# KiCad board SofleKeyboard.kicad_pcb (continued)
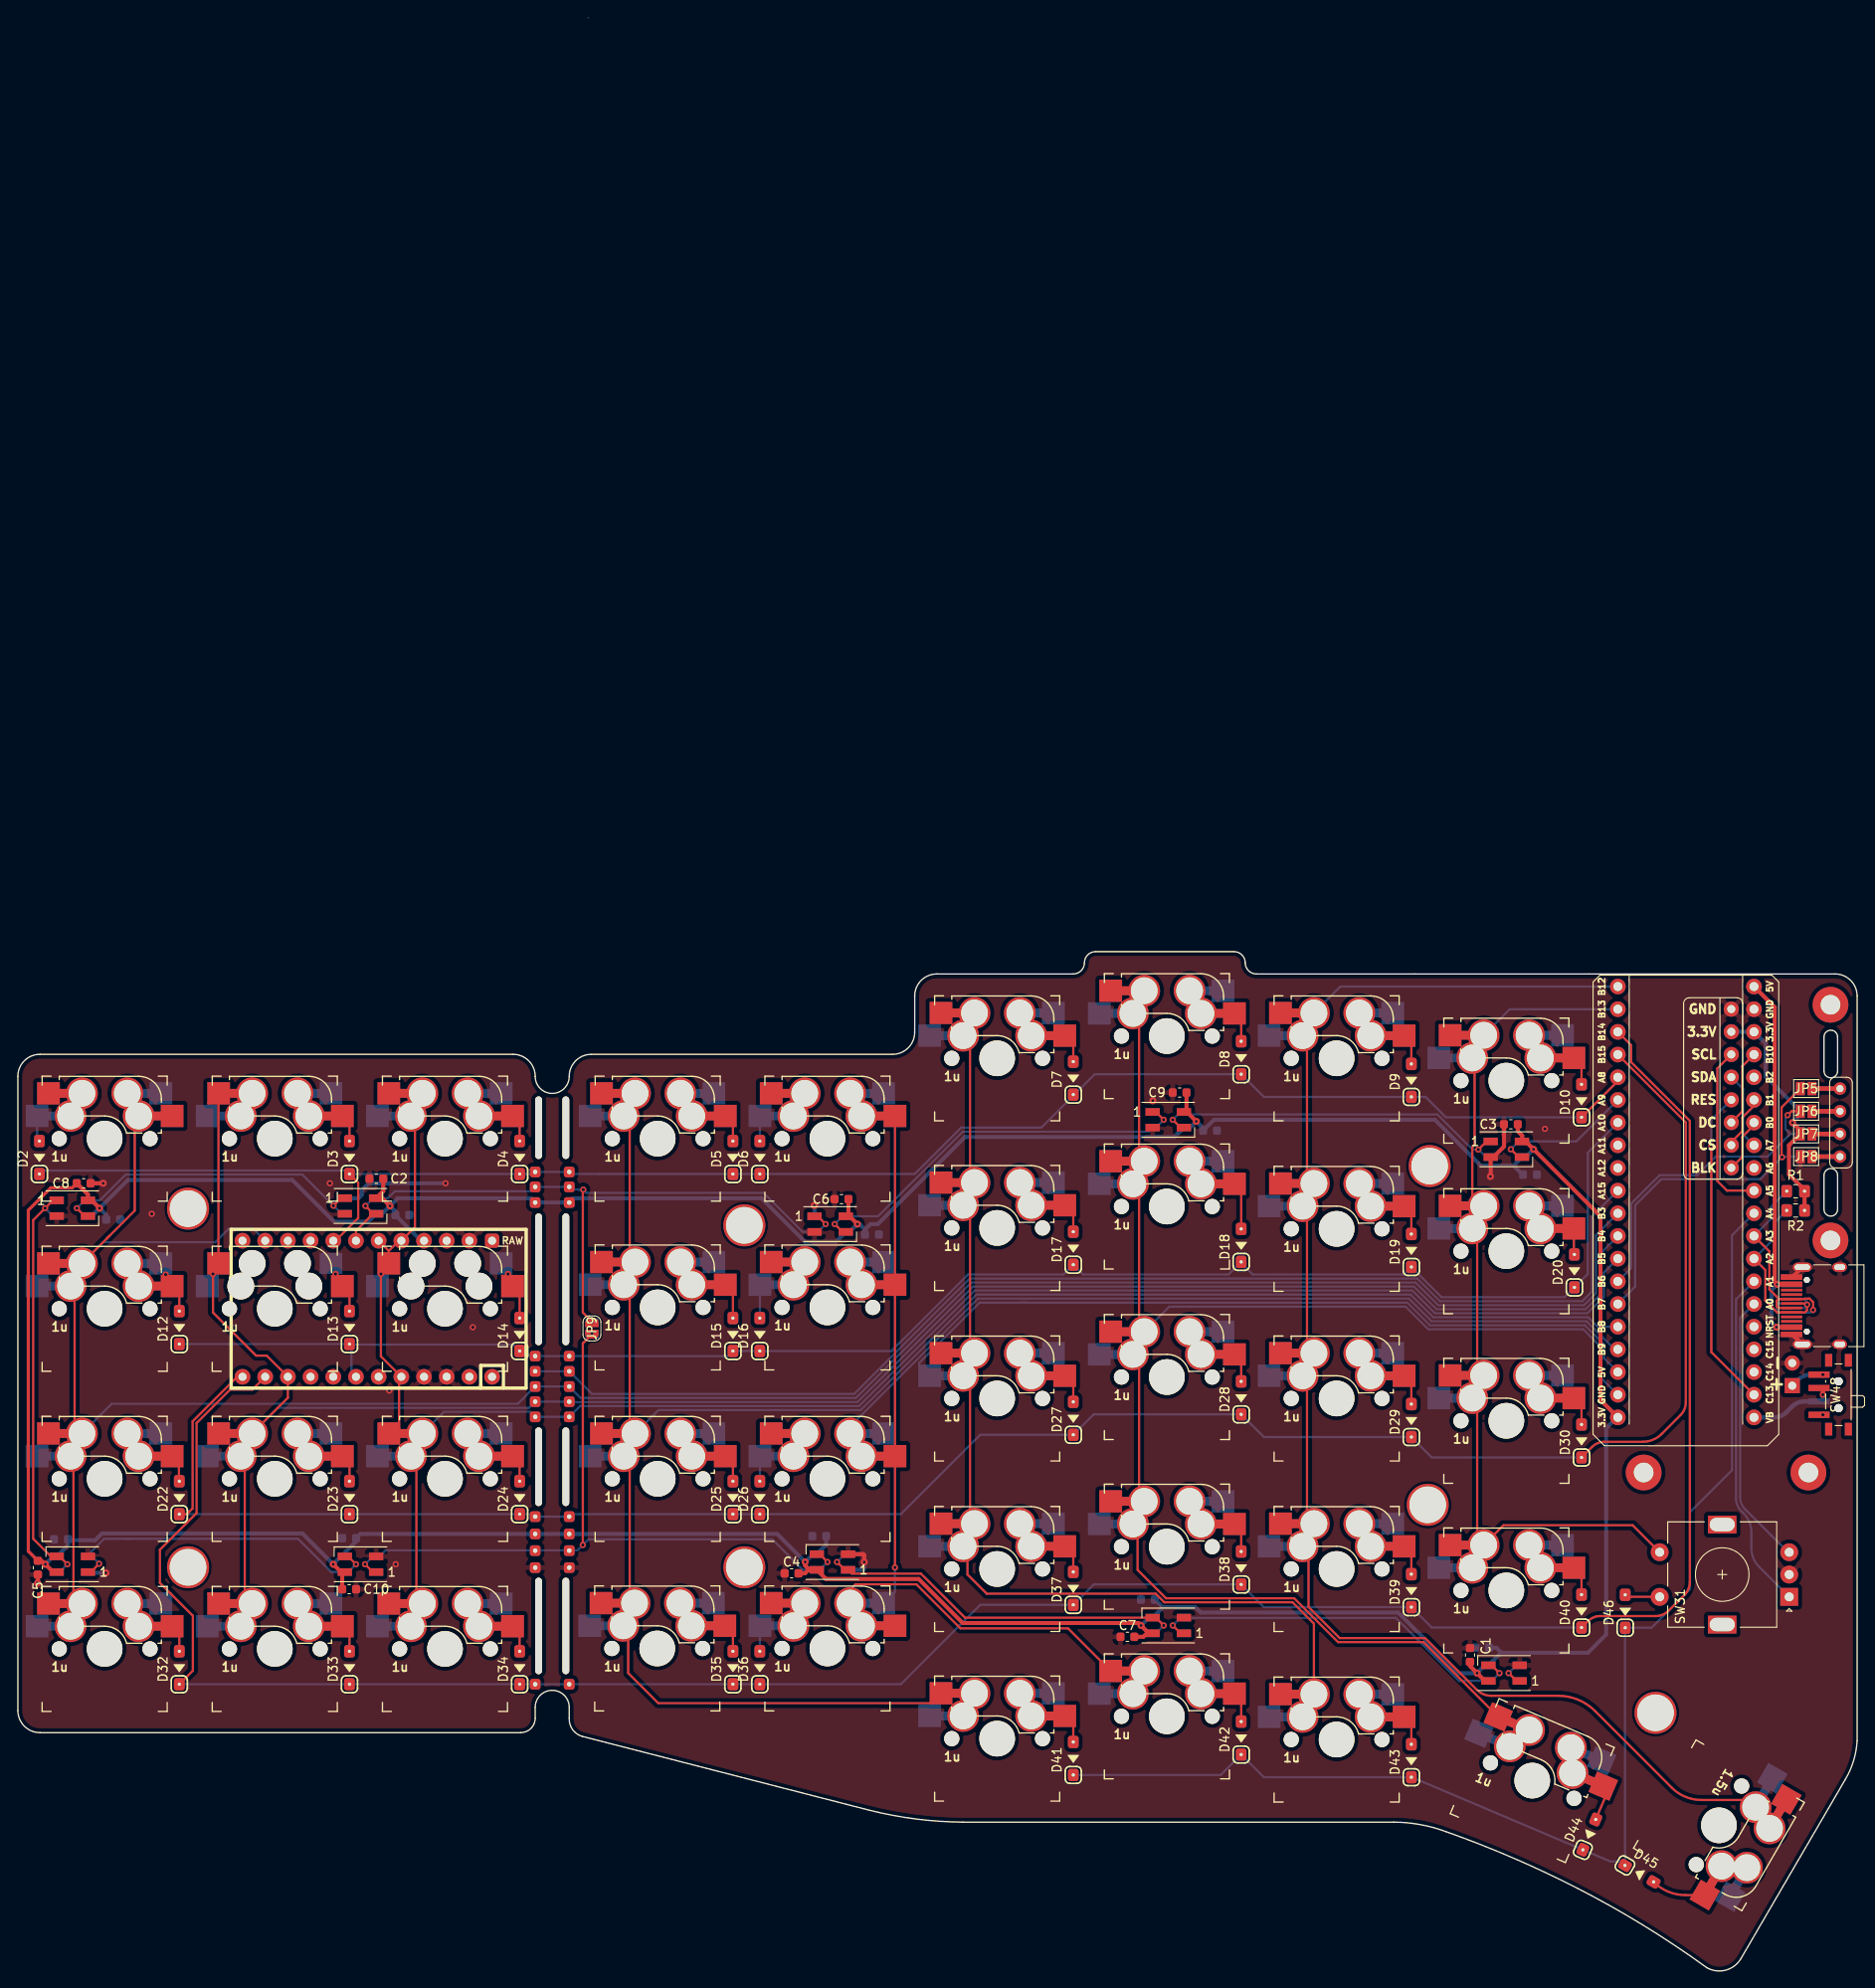
[diagram p0: board, top side]
## Footprints (pads in the part's own frame, mm; a bottom-side part is the same pattern mirrored in y, then rotated)
128x64OLED
  round 1.4 hole 0.8: 1(-3.81,11.95) 2(-1.27,11.95) 3(1.27,11.95) 4(3.81,11.95)
BlackPill-STM32F4X1
  round 1.753 hole 1: 1(-25.4,-7.62) 2(-22.86,-7.62) 3(-20.32,-7.62) 4(-17.78,-7.62) 5(-15.24,-7.62) 6(-12.7,-7.62) 7(-10.16,-7.62) 8(-7.62,-7.62) 9(-5.08,-7.62) 10(-2.54,-7.62) 11(0,-7.62) 12(2.54,-7.62) 13(5.08,-7.62) 14(7.62,-7.62) 15(10.16,-7.62) 16(12.7,-7.62) 17(15.24,-7.62) 18(17.78,-7.62) 19(20.32,-7.62) 20(22.86,-7.62) 21(-25.4,7.62) 22(-22.86,7.62) 23(-20.32,7.62) 24(-17.78,7.62) 25(-15.24,7.62) 26(-12.7,7.62) 27(-10.16,7.62) 28(-7.62,7.62) 29(-5.08,7.62) 30(-2.54,7.62) 31(0,7.62) 32(2.54,7.62) 33(5.08,7.62) 34(7.62,7.62) 35(10.16,7.62) 36(12.7,7.62) 37(15.24,7.62) 38(17.78,7.62) 39(20.32,7.62) 40(22.86,7.62)
C_0603_1608Metric
  rrect 0.9x0.95 smd: 1(-0.775,0) 2(0.775,0)
Conn_01x01
  rrect 1.2x1.2 hole 0.5: 1(0,0)
Conn_01x08
  round 1.7 hole 0.9: 1(0,-8.89) 2(0,-6.35) 3(0,-3.81) 4(0,-1.27) 5(0,1.27) 6(0,3.81) 7(0,6.35) 8(0,8.89)
Cut_hole
  oval 0.762x14.75 hole 0.762x14.75 unplated: (0,0)
Cut_hole#2
  oval 0.762x8.8 hole 0.762x8.8 unplated: (0,0)
Cut_hole#3
  oval 0.762x7 hole 0.762x7 unplated: (0,0)
Cut_hole#4
  oval 0.762x10.8 hole 0.762x10.8 unplated: (0,0)
Diode
  rrect 1.39x1.2 hole 0.35: 1(1.693,0) 2(-1.997,0)
HOLE_M2_TH
  round 4.7 hole 4.1: (0,0)
M2_HOLE_PCB
  round 4 hole 2.2: (0,0)
PinHeader_1x02_P2.54mm_Vertical
  rect 1.7x1.7 hole 0.9: 1(0,0)
  oval 1.7x1.7 hole 0.9: 2(0,-2.54)
PRO-MICRO
  round 1.753 hole 0.9: B1(7.62,-6.35) B2(7.62,-11.43) B3(7.62,-8.89) B4(-7.62,-11.43) B5(-7.62,-13.97) B6(7.62,-13.97) C6(-7.62,-3.81) D0(-7.62,1.27) D1(-7.62,3.81) D2(-7.62,11.43) D3(-7.62,13.97) D4(-7.62,-1.27) D7(-7.62,-6.35) E6(-7.62,-8.89) F4(7.62,3.81) F5(7.62,1.27) F6(7.62,-1.27) F7(7.62,-3.81) GND(-7.62,6.35) GND(-7.62,8.89) GND(7.62,11.43) RST(7.62,8.89) VCC(7.62,6.35)
  rrect 1.6x1.6 hole 0.9: RAW(7.62,13.97)
R_0805_2012Metric_Pad1.20x1.40mm_HandSolder
  rrect 1.2x1.4 hole 0.35: 1(-1,0) 2(1,0)
RotaryEncoder_Alps_EC11E-Switch_Vertical_H20mm
  rect 2x2 hole 1: A(-2.5,-7.5)
  round 2 hole 1: B(2.5,-7.5) C(0,-7.5) S1(2.5,7) S2(-2.5,7)
  rect 2x3.2 hole 1.5x2.8: MP(-5.6,0) MP(5.6,0)
SK6812MINI-FLIP
  rect 1.6x0.85 smd: +(1.75,0.875) -(-1.75,-0.875) I(1.75,-0.875) O(-1.75,0.875)
  rect 1.6x0.85 smd far side: +(1.75,-0.875) -(-1.75,0.875) I(1.75,0.875) O(-1.75,-0.875)
SolderJumper-2_P1.3mm_Open_Pad1.0x1.5mm
  rect 1x1.5 smd: 1(-0.65,0) 2(0.65,0)
SolderJumper-2_P1.3mm_Open_RoundedPad1.0x1.5mm
  custom 1x1.5 smd: 1(-0.65,0) 2(0.65,0)
SW-HS-Flip-1u
  round 1.702 hole 1.702 unplated: (-5.08,0) (5.08,0)
  round 3 hole 3 unplated: (-3.81,2.54) (-2.54,5.08) (2.54,5.08) (3.81,2.54)
  round 3.988 hole 3.988 unplated: (0,0)
  rect 2.55x2.5 smd far side: 1(-7.56,2.54)
  rect 2.55x2.5 smd: 1(-6.29,5.08) 2(7.56,2.54)
  rect 2.55x2.35 smd far side: 2(6.29,5.08)
SW-HS-Flip-1u#2
  round 1.702 hole 1.702 unplated: (-5.08,0) (5.08,0)
  round 3 hole 3 unplated: (-3.81,2.54) (-2.54,5.08) (2.54,5.08) (3.81,2.54)
  round 3.988 hole 3.988 unplated: (0,0)
  rect 2.55x2.5 smd far side: 1(-7.56,2.54) 2(6.29,5.08)
  rect 2.55x2.5 smd: 1(-6.29,5.08) 2(7.56,2.54)
SW-HS_flip-1u
  round 1.702 hole 1.702 unplated: (-5.08,0)
  round 3.988 hole 3.988 unplated: (0,0)
  round 1.7 hole 1.7 unplated: (5.08,0)
  rect 2.55x2.5 smd far side: 1(-7.56,2.54) 2(6.29,5.08)
  rect 2.55x2.5 smd: 1(-6.29,5.08) 2(7.56,2.54)
  rect 2.5x1 smd far side: 1(-5.715,2.54) 2(5.015,5.08)
  rect 2.5x1 smd: 1(-5.015,5.08) 2(5.715,2.54)
  round 3.55 hole 3: 1(-3.81,2.54) 1(-2.54,5.08) 2(2.54,5.08) 2(3.81,2.54)
SW_SPDT_PCM12
  rect 1.422x0.8 smd: (-3.861,0.78) (-3.861,-1.43) (3.861,0.78) (3.861,-1.43)
  round 0.9 hole 0.9 unplated: (-1.5,-0.33) (1.5,-0.33)
  rect 0.7x2.368 smd: 1(-2.25,1.864) 2(0.75,1.864) 3(2.25,1.864)
USB-C-16pin-hight-v2
  round 0.65 hole 0.65 unplated: (-2.89,-2.605) (2.89,-2.605)
  rect 0.6x2.363 smd: A1(3.2,-4.318) A4(2.4,-4.318) A9(-2.4,-4.318) A12(-3.2,-4.318) B1(-3.2,-4.318) B4(-2.4,-4.318) B9(2.4,-4.318) B12(3.2,-4.318)
  rect 0.3x2.366 smd: A5(1.25,-4.31) A6(0.25,-4.31) A7(-0.25,-4.31) A8(-1.25,-4.31) B5(-1.75,-4.31) B6(-0.75,-4.31) B7(0.75,-4.31)
  rect 0.305x2.366 smd: B8(1.75,-4.31)
  oval 1x1.6 hole 0.6x1.2: S1(-4.32,1.075) S1(4.32,1.075)
  oval 1x2.1 hole 0.6x1.7: S1(-4.32,-3.105) S1(4.32,-3.105)

## Nets
+3V3: C1.1 C2.1 C3.1 C4.1 C5.1 C6.1 C7.1 C8.1 C9.1 C10.1 C11.1 C12.1 C13.1 C14.1 C15.1 C16.1 C17.1 C18.1 C19.1 C20.1 J24.1 J25.1 J26.1 J27.1 LED1.+ LED2.+ LED3.+ LED4.+ LED5.+ LED6.+ LED7.+ LED8.+ LED9.+ LED10.+ U1.VCC U2.20
+5V: J1.A4 J1.A9 J1.B4 J1.B9 J2.A4 J2.A9 J2.B4 J2.B9 U2.21
GND: C1.2 C2.2 C3.2 C4.2 C5.2 C6.2 C7.2 C8.2 C9.2 C10.2 C11.2 C12.2 C13.2 C14.2 C15.2 C16.2 C17.2 C18.2 C19.2 C20.2 J1.A1 J1.A12 J1.B1 J1.B12 J1.S1 J2.A1 J2.A12 J2.B1 J2.B12 J2.S1 J4.2 J5.8 J16.1 J17.1 JP1.1 JP8.1 LED1.- LED2.- LED3.- LED4.- LED5.- LED6.- LED7.- LED8.- LED9.- LED10.- SW31.C U1.GND U2.22
VBAT: SW47.2 SW48.2 U2.40
3.3_TOP: J5.7 JP2.1 JP7.1 R1.1 R2.1 U2.23
BLK: J5.1 U2.27
col0: SW5.1 SW15.1 SW25.1 SW36.1 SW42.1 U2.16
col0': J16#2.1 J17#2.1 U2.10
col1: SW6.2 SW16.2 SW26.2 SW37.2 SW43.1 U2.17
col1': J18.1 J19.1 SW2.2 SW12.1 SW22.1 SW33.1 U1.B2 U2.11
col2: SW7.1 SW17.1 SW27.1 SW38.1 SW44.1 U2.18
col2': J20.1 J21.1 SW3.1 SW13.1 SW23.1 SW34.1 U1.E6 U2.12
col3: SW8.1 SW18.1 SW28.1 SW39.1 SW45.1 U2.19
col3': J22.1 J23.1 SW4.1 SW14.1 SW24.1 SW35.1 U1.D1 U1.F4 U1.F5 U2.13
col4: SW9.1 SW19.1 SW29.1 SW40.1 SW46.1 U2.1
CS: J5.2 U2.26
DC: J5.3 U2.24
ENCA: SW31.A U2.34
ENCB: SW31.B U2.35
MOSI: J5.5 U2.28
RES: J5.4 U2.39
RGB_BLACKPILL: LED1.I U2.6
RGB_PROMICRO: J14.1 J15.1 JP9.1 JP10.1 LED3.O LED4.I U1.F6
row0: D2.1 D3.1 D4.1 D5.1 D6.1 D7.1 D8.1 D9.1 D10.1 J6.1 J7.1 U1.F7 U2.5
row1: D12.1 D13.1 D14.1 D15.1 D16.1 D17.1 D18.1 D19.1 D20.1 J8.1 J9.1 U1.D4 U2.7
row2: D22.1 D23.1 D24.1 D25.1 D26.1 D27.1 D28.1 D29.1 D30.1 J10.1 J11.1 U1.B5 U2.4
row3: D32.1 D33.1 D34.1 D35.1 D36.1 D37.1 D38.1 D39.1 D40.1 J12.1 J13.1 U1.B4 U2.3
row4: D41.1 D42.1 D43.1 D44.1 D45.1 D46.1 U2.31
RX: J1.A6 J1.B6 J2.A6 J2.B6 R1.2 U2.32
SCK: J5.6 U2.30
SCL: JP3.1 JP6.1 U2.14
SDA: JP4.1 JP5.1 U2.15
SW25A: SW10.1 SW20.1 SW30.1 SW31.S1 SW41.1 U2.2
SW25B: D46.2 SW31.S2
TX: J1.A7 J1.B7 J2.A7 J2.B7 R2.2 U2.33
Net-(D2-Pad2): D2.2 SW2.1
Net-(D3-Pad2): D3.2 SW3.2
Net-(D4-Pad2): D4.2 SW4.2
Net-(D5-Pad2): D5.2 SW5.2
Net-(D6-Pad2): D6.2 SW6.1
Net-(D7-Pad2): D7.2 SW7.2
Net-(D8-Pad2): D8.2 SW8.2
Net-(D9-Pad2): D9.2 SW9.2
Net-(D10-Pad2): D10.2 SW10.2
Net-(D12-Pad2): D12.2 SW12.2
Net-(D13-Pad2): D13.2 SW13.2
Net-(D14-Pad2): D14.2 SW14.2
Net-(D15-Pad2): D15.2 SW15.2
Net-(D16-Pad2): D16.2 SW16.1
Net-(D17-Pad2): D17.2 SW17.2
Net-(D18-Pad2): D18.2 SW18.2
Net-(D19-Pad2): D19.2 SW19.2
Net-(D20-Pad2): D20.2 SW20.2
Net-(D22-Pad2): D22.2 SW22.2
Net-(D23-Pad2): D23.2 SW23.2
Net-(D24-Pad2): D24.2 SW24.2
Net-(D25-Pad2): D25.2 SW25.2
Net-(D26-Pad2): D26.2 SW26.1
Net-(D27-Pad2): D27.2 SW27.2
Net-(D28-Pad2): D28.2 SW28.2
Net-(D29-Pad2): D29.2 SW29.2
Net-(D30-Pad2): D30.2 SW30.2
Net-(D32-Pad2): D32.2 SW33.2
Net-(D33-Pad2): D33.2 SW34.2
Net-(D34-Pad2): D34.2 SW35.2
Net-(D35-Pad2): D35.2 SW36.2
Net-(D36-Pad2): D36.2 SW37.1
Net-(D37-Pad2): D37.2 SW38.2
Net-(D38-Pad2): D38.2 SW39.2
Net-(D39-Pad2): D39.2 SW40.2
Net-(D40-Pad2): D40.2 SW41.2
Net-(D41-Pad2): D41.2 SW42.2
Net-(D42-Pad2): D42.2 SW43.2
Net-(D43-Pad2): D43.2 SW44.2
Net-(D44-Pad2): D44.2 SW45.2
Net-(D45-Pad2): D45.2 SW46.2
Net-(J3-Pad1): J3.1 JP1.2 JP5.2
Net-(J3-Pad2): J3.2 JP2.2 JP6.2
Net-(J3-Pad3): J3.3 JP3.2 JP7.2
Net-(J3-Pad4): J3.4 JP4.2 JP8.2
Net-(J4-Pad1): J4.1 SW47.1 SW48.3
Net-(J28-Pad1): J28.1 J29.1 JP9.2 JP10.2 LED7.O LED8.I
Net-(LED1-PadO): LED1.O LED2.I
Net-(LED2-PadO): LED2.O LED3.I
Net-(LED4-PadO): LED4.O LED5.I
Net-(LED5-PadO): LED5.O LED6.I
Net-(LED6-PadO): LED6.O LED7.I
Net-(LED8-PadO): LED8.O LED9.I
Net-(LED10-PadI): LED9.O LED10.I
Net-(SW47-Pad3): SW47.3 SW48.1

Pads without a net: J1 A5 A8 B5 B8; J2 A5 A8 B5 B8; LED10 O; SW31 MP; U1 B1 B3 B6 C6 D0 D2 D3 D7 RAW RST; U2 8 9 25 29 36 37 38

## Via types
v1: diameter 0.7, hole 0.35, Top to Bottom, 45 vias
v2: diameter 0.8, hole 0.3, Top to Bottom, 20 vias

## Routing (per net, layer and track width the routed paths; a pad name or vN(x,y) marks a point on that pad's centre or on a via; arc(x,y) is an arc through that point)
+3V3: length 527
  Top w0.35: v2(3.08,45.46) 2.68,45.86 C5.1 1.17,46.92 1.17,85.11 3.68,87.63 6.08,87.63 C8.1
  Top w0.45: C2.1 40.91,87.27 LED4.+ 40.78,86.47 v2(41.66,85.59) ; C1.1 162.56,34.06 v2(163.35,33.27) 164.23,32.4 LED10.+ ; LED8.+ 90.47,43.81 100.84,43.81 105.77,38.88 125.45,38.88 v2(125.73,38.6) 126.61,37.73 LED9.+ 126.38,37.73 125.98,37.33 C7.1 ; LED8.+ 88.61,44.84 88.14,45.31 v2(88.14,45.72) ; LED8.+ 88.51,44.84 88.11,44.45 C4.1 ; C8.1 7.85,86.88 LED5.+ 8.27,86.22 v2(9.14,85.34) ; 92.98,86.36 92.98,84.73 LED3.+ 93.11,84.44 v2(93.98,83.56) ; C9.1 130.82,96.42 LED2.+ 130.87,96.12 v2(131.92,95.07) ; U2.20 177.17,63.85 177.17,84.45 v2(169.67,91.94) 168.8,92.82 LED1.+ 168.4,92.85 168.4,93.47 167.91,93.96 C3.1 ; C10.1 36.31,44.29 LED7.+ 36.18,44.59 v2(35.31,45.46) ; v2(3.08,45.46) 3.95,44.59 LED6.+
  Bottom w0.45: U1.VCC 45.13,81.7 C14.1 42.25,85 v2(41.66,85.59) ; C13.1 165.51,36.12 166.03,35.59 166.03,35.56 ; 167.42,90.12 168.44,89.1 C15.1 ; 167.42,90.12 163.75,90.12 158.62,95.25 133.9,95.25 C11.1 132.68,94.31 v2(131.92,95.07) 131.22,94.37 130.95,94.37 ; 167.42,90.12 LED1.+ 168.8,91.07 v2(169.67,91.94) ; 166.03,35.56 175.77,35.56 177.8,37.59 177.8,60.7 179.01,61.91 U2.20 ; 166.03,35.56 LED10.+ 164.23,34.15 v2(163.35,33.27) 161.29,33.27 154.5,40.06 132.4,40.06 131.83,40.64 128.19,40.64 ; v2(41.66,85.59) 42.52,86.46 57.43,86.46 J24.1 J25.1 62.2,86.46 83.24,86.46 88.11,81.58 91.58,81.58 LED3.+ 93.11,82.69 v2(93.98,83.56) 94.23,83.56 94.83,82.97 C18.1 94.83,82.94 95.45,83.56 96.27,83.56 106.02,93.32 129.47,93.32 LED2.+ ; v2(41.66,85.59) 40.78,84.72 LED4.+ 39.2,83.82 35.41,83.82 30.72,88.51 12.31,88.51 v2(9.14,85.34) ; v2(9.14,85.34) 8.27,84.47 7.85,84.47 ; v2(9.14,85.34) 9.89,84.59 9.89,84.07 9.89,84.57 ; v2(125.73,38.6) 126.61,39.48 LED9.+ 128.19,40.64 ; C20.1 127.32,41.5 128.19,40.64 ; C12.1 90.49,47.64 LED8.+ 89.01,46.59 v2(88.14,45.72) 85,48.86 38.33,48.86 C16.1 37.86,48.02 36.6,46.76 LED7.+ 36.18,46.34 v2(35.31,45.46) 31.85,48.92 9.41,48.92 8.65,48.16 5.7,48.16 C17.1 5.6,47.59 LED6.+ 3.95,46.34 v2(3.08,45.46)
+5V: length 49.6
  Top w0.45: 196.96,76.82 J1.A9 196.96,76.82 v2(196.96,76.82) 196.67,77.11 196.67,107.85 U2.21 ; J1.A4 v2(196.86,72.02)
  Bottom w0.45: 196.86,76.72 196.96,76.82 J1.A9 196.96,76.82 v2(196.96,76.82) 196.29,76.15 196.29,72.59 v2(196.86,72.02) J1.A4
GND: length 37
  Top w0.25: 2.43,44.59 2,44.59
  Top w0.45: C8.2 v2(9.55,88.13) ; v2(2.21,43.35) 2.24,43.38 C5.2 ; C3.2 166.37,94.73 166.37,92.26 165.18,91.07 LED1.- 164.87,88.92 v2(164.85,88.9) ; J1.S1 198.64,77.62 J1.A12 ; LED8.- 94.63,46.59 94.74,46.48 v2(94.74,45.72)
  Top w0.5: J1.S1 198.64,71.22 J1.A1
  Bottom w0.45: v2(127.05,97.38) 127.03,97.36 ; J1.A12 198.64,77.62 J1.S1 ; v2(94.74,45.72) 94.74,44.95 94.63,44.84 LED8.- ; LED4.- 38.11,86.47 38.49,86.85 38.49,87.36 39.27,88.13 v1(47.88,88.13) ; v2(9.86,44.5) 7.94,44.5 LED6.- ; v2(89.15,85.65) 89.18,85.62 LED3.-
  Bottom w0.5: J1.S1 198.64,71.22 J1.A1
  vias: v1(14.99,84.71) v1(34.92,88.13) v1(41.58,64.92) v1(42.29,45.46) v1(50.93,72.01) v1(170.94,94.23)
VBAT: length 9.8
  Top w0.5: 202.06,65.2 v1(202.06,64.45)
  Bottom w0.5: v1(202.06,64.45) 202.06,63.7 200.01,63.7 arc(199.25,63.55) 198.6,63.11 197.98,62.5 arc(197.33,62.06) 196.57,61.91 U2.40
3.3_TOP: length 26.7
  Top w0.45: R2.1 R1.1 200.01,87.39 198.27,89.13 198.27,92.39 JP7.1 199.54,94.04 v2(198.66,94.92)
  Bottom w0.25: 191.82,105.09 J5.7
  Bottom w0.45: v2(198.66,94.92) 199.54,95.8 JP2.1 195.65,100.09 195.65,103.79 U2.23 191.82,105.09
BLK: length 6.1
  Top w0.25: U2.27 194.35,94.65 193.04,93.34 193.04,91.09 J5.1
col0: length 220.8
  Top w0.25: 105.13,29.16 SW42.1 ; SW25.1 67.96,57.57 68.49,58.1 ; SW42.1 102.23,29.91 71.69,29.91 68.33,33.27 68.33,37.46 67.77,38.02 SW36.1 68.49,39.3 68.49,58.1 ; SW15.1 67.86,76.77 68.49,77.4 ; 68.49,77.4 68.49,94.68 67.82,95.35 SW5.1 ; 68.49,77.4 68.49,58.1
  Bottom w0.25: SW25.1 71.71,62.73 94.36,62.73 107.29,75.67 155.91,75.67 158.45,73.13 175.79,73.13 176.85,72.07 U2.16
col0': length 138.8
  Bottom w0.25: 57.81,67.07 J17#2.1 J16#2.1 64.26,64.53 93.62,64.53 106.55,77.47 156.65,77.47 159.19,74.93 175.13,74.93 176.2,75.99 176.2,84.4 U2.10
col1: length 191.2
  Top w0.25: SW26.2 98.19,57.46 98.84,56.8 ; 98.84,37.88 98.19,38.54 SW37.2 98.47,38.28 ; 98.19,45.07 SW6.2 98.2,95.67 98.84,95.03 ; SW37.2 93.17,42.62 93.76,43.21 100.59,43.21 105.52,38.28 117.56,38.28 SW43.1
  Bottom w0.25: v1(98.19,45.1) 98.19,42.38 SW37.2 ; SW26.2 SW26.2 92.77,60.51 107.48,75.22 155.72,75.22 158.26,72.68 175.6,72.68 178.75,69.53 U2.17
col1': length 274.8
  Top w0.25: SW22.1 4.57,60.24 3.3,60.24 3.09,60.45 ; SW22.1 5.9,56.81 6.64,56.07 ; SW22.1 6.27,57.57 6.35,57.65 6.35,76.7 6.27,76.62 SW12.1 ; SW22.1 6.22,57.25 6.22,42.54 7.17,41.59 SW33.1 6.64,41.59 ; 3.3,79.28 SW12.1 3.09,78.82 ; 9.98,81.97 13.08,85.07 13.08,94.1 13.52,94.55 SW2.2 ; 9.98,81.97 10.29,82.27 ; 9.98,81.97 SW12.1 ; SW2.2 17.55,95.67 18.07,95.15
  Bottom w0.25: U1.B2 26.33,83.05 23.62,83.05 22.1,81.53 9.54,81.53 SW12.1 ; SW22.1 10.5,63.43 55.97,63.43 J19.1 J18.1 63.01,64.08 93.8,64.08 106.74,77.02 156.46,77.02 159,74.48 175.32,74.48 176.65,75.81 176.65,82.31 U2.11 ; SW12.1 2.15,76.98
col2: length 201.1
  Top w0.25: SW7.1 105.82,104.09 106.59,103.31 106.59,85.91 ; 106.59,85.91 106.35,85.67 SW17.1 ; 106.59,85.91 106.59,66.86 ; 106.59,66.86 106.3,66.57 SW27.1 ; 106.59,66.86 106.59,47.31 106.43,47.47 SW38.1 105.82,46.53 106.3,46.05 106.3,44.32 108.46,42.16 127.38,42.16 128.34,41.2 142.69,41.2 145.09,38.81 SW44.1
  Bottom w0.25: 112.93,74.77 107.67,74.77 100.9,68.01 100.9,67.73 SW27.1 ; 112.93,74.77 155.53,74.77 158.07,72.23 175.42,72.23 177.55,70.1 177.55,68.55 U2.18 ; 112.93,74.77 112.11,74.77 ; SW27.1 107.09,69.74
col2': length 239.2
  Top w0.25: v1(21.84,77.97) 21.84,73.66 26.67,68.83 27.86,68.83 U1.E6 30.23,64.11 SW23.1 ; v1(21.84,77.97) 21.84,78.53 SW13.1 ; v1(21.84,77.97) 22.47,78.6 SW13.1 ; SW23.1 21.84,60.74 ; 21.34,42.2 SW34.1 ; SW34.1 21.84,41.69 ; SW34.1 21.93,41.06 ; 22.61,79.16 SW13.1 ; SW13.1 22.46,79.18 22.46,98.19 SW3.1 21.34,97.07 ; SW34.1 25.4,41.88 25.4,56.38 24.95,56.83 SW23.1 25.29,57.57 25.56,57.85 ; 25.56,38.54 25.54,38.52 SW34.1 ; SW3.1 24.95,95.54 25.56,94.93
  Bottom w0.25: v1(21.84,77.97) 21.2,77.33 SW13.1 ; U2.12 177.1,80.22 177.1,75.62 175.5,74.03 158.82,74.03 156.28,76.57 106.92,76.57 93.99,63.63 61.76,63.63 J21.1 J20.1 57.22,62.98 29.1,62.98 SW23.1
col3: length 172.7
  Top w0.25: SW28.1 124.89,68.9 125.64,68.9 ; SW45.1 157.34,36.74 147.78,36.74 142.87,41.65 128.52,41.65 125.35,44.83 125.35,48.56 124.82,49.1 SW39.1 125.26,49.97 125.51,50.23 125.51,88.71 ; SW8.1 124.82,106.93 125.51,106.23 125.51,88.71 ; 125.51,88.71 124.88,88.07 SW18.1
  Bottom w0.25: SW28.1 128.9,74.32 155.35,74.32 157.89,71.78 175.23,71.78 177.1,69.91 177.1,66.46 U2.19
col3': length 210.7
  Top w0.25: SW4.1 44,94.65 ; SW4.1 44.45,95.22 44.45,83.22 U1.F4 42.66,81.7 41.52,80.56 ; SW4.1 44,94.65 ; 44,94.65 44.44,94.22 44,94.65 ; 41.52,80.56 U1.F5 ; 41.52,80.56 SW14.1 40.64,78.28 v1(40.64,77.97) 40.64,68.75 U1.D1 42.67,66.21 42.67,60.24 SW24.1 ; SW35.1 44.47,38.52 44.61,38.67 44.61,57.59 44.59,57.57
  Bottom w0.25: v1(40.64,77.97) 40.25,77.59 SW14.1 ; U2.13 177.55,78.13 177.55,75.43 175.69,73.58 158.63,73.58 156.09,76.12 107.11,76.12 94.17,63.18 62.93,63.18 J22.1 J23.1 57.35,62.54 47.7,62.54 SW24.1
col4: length 163.6
  Top w0.25: SW9.1 145.09,105.94 SW9.1 143.82,104.44 144.31,103.95 144.31,86.17 ; SW46.1 193.72,19.06 188.43,19.06 arc(186.67,19.41) 185.17,20.41 176.57,29.01 arc(174.67,30.28) 172.42,30.73 164.95,30.73 arc(164.06,30.91) 163.31,31.41 157.53,37.19 147.97,37.19 144.48,40.69 144.48,46.78 143.82,47.44 SW40.1 144.14,47.47 144.31,47.31 144.31,66.61 ; 144.31,66.61 144.27,66.57 SW29.1 ; 144.31,66.61 144.31,86.17 ; 144.31,86.17 143.82,85.67 SW19.1
  Bottom w0.25: U2.1 148.05,110.17 SW9.1
CS: length 6.1
  Top w0.25: U2.26 194.35,96.81 193.04,95.5 193.04,93.98 191.81,92.74 J5.2
DC: length 8.7
  Top w0.25: J5.3 193.04,96.17 193.04,101.24 U2.24
ENCA: length 38.3
  Bottom w0.25: U2.34 192.34,75.14 192.34,52.84 arc(192.49,52.07) 192.92,51.42 193.18,51.17 arc(193.83,50.19) 194.06,49.05 194.06,47.29 arc(194.28,46.14) 194.93,45.16 SW31.A
ENCB: length 30.7
  Bottom w0.25: SW31.B 198.17,46.81 193.37,51.61 arc(192.94,52.26) 192.79,53.02 192.79,73.05 U2.35
MOSI: length 8.7
  Bottom w0.25: U2.28 193.15,93.59 193.15,98.68 J5.5
RES: length 35.9
  Top w0.25: v1(189.57,92.33) 189.57,69.23 U2.39
  Bottom w0.25: v1(189.57,92.33) 189.57,95.25 J5.4
RGB_BLACKPILL: length 16
  Top w0.25: LED1.I 168.01,91.07 v1(167.13,91.94)
  Bottom w0.25: 179.11,97.32 U2.6 174.46,92.82 LED1.I 168.01,92.82 v1(167.13,91.94)
RGB_PROMICRO: length 78.1
  Top w0.25: 61.72,87.88 J15.1 ; LED4.I 39.78,84.72 v1(38.91,85.59) ; LED4.I 40.29,84.54 ; LED4.I 39.77,84.72 37.85,82.8 U1.F6 ; 63.25,85.98 63.25,87.37 v1(63.3,87.42) ; 63.25,85.98 63.25,86.2 ; 63.25,85.98 63.25,73.66 64.26,72.64 v1(64.26,72.53) ; LED3.O 89.55,84.44 v1(90.42,83.56)
  Bottom w0.25: v1(90.42,83.56) 89.55,82.69 LED3.O 87.86,82.69 83.49,87.06 63.66,87.06 v1(63.3,87.42) 62.03,87.42 J15.1 J14.1 57.43,87.25 42.21,87.25 41.43,86.47 LED4.I 39.78,86.47 v1(38.91,85.59)
row0: length 195.1
  Top w0.25: 179.07,99.97 179.07,99.55 D10.1 ; D3.1 38.1,88.19 38.1,84.24 35.56,81.7 U1.F7
  Bottom w0.25: 2.41,89.17 D2.1 2.8,89.56 36.74,89.56 D3.1 D4.1 57.68,89.17 J6.1 J7.1 61.95,89.17 D5.1 100.39,89.17 105.59,94.37 114.56,94.37 120.55,100.35 D8.1 139.48,97.81 D9.1 157.57,97.81 159.86,95.52 D10.1
row1: length 189.6
  Top w0.25: D20.1 174.48,76.47
  Bottom w0.25: U1.D4 37.34,66.97 37.34,69.91 D13.1 ; D12.1 D13.1 ; D13.1 37.12,70.06 40.42,70.06 ; 40.42,70.06 55.46,70.06 D14.1 56.75,68.77 J9.1 J8.1 79.47,68.77 D15.1 D16.1 83.07,69.34 97.79,69.34 106.36,77.92 117.05,77.92 D17.1 119.24,77.92 135.53,77.92 D18.1 136.94,79.21 138.23,77.92 155.15,77.92 D19.1 159.38,75.38 173.15,75.38 D20.1 175.75,77.98 175.75,91.57 U2.7 ; 40.42,70.06 40.39,70.03
row2: length 240.1
  Top w0.25: D30.1 176.21,58.59 arc(176.86,59.03) 177.63,59.18 181.89,59.18 arc(183.04,59.41) 184.01,60.06 186.13,62.17 arc(186.56,62.82) 186.72,63.59 186.72,94.94 U2.4 ; U1.B5 24.55,66.46 19.56,61.46 19.56,51.71 18.92,51.07 D22.1
  Top w0.45: 178.5,102.55 U2.4
  Bottom w0.25: D22.1 D24.1 57.64,51.07 J10.1 J11.1 62,51.07 D25.1 98.84,51.07 107.73,59.96 D27.1 120.43,62.25 D28.1 139.48,59.71 D29.1 158.28,57.42 D30.1
row3: length 286
  Top w0.25: U1.B4 26.25,65.02 23.75,65.02 20.01,61.28 20.01,51.2 15.9,47.09 15.9,43.38 19.59,39.69 19.59,33.54 D32.1 ; D40.1 175.74,39.08 175.84,39.17 176.05,39.33 176.27,39.46 176.52,39.56 176.77,39.62 177.03,39.66 177.16,39.66 183.36,39.66 183.49,39.66 183.75,39.7 184.01,39.76 184.25,39.86 184.47,40 184.68,40.16 184.78,40.25 186.58,42.05 186.67,42.14 186.83,42.35 186.96,42.58 187.06,42.82 187.13,43.07 187.16,43.33 187.16,43.46 187.16,95.13 180.59,101.7 180.59,103.6 U2.3
  Bottom w0.25: D40.1 158.28,38.37 D39.1 139.48,40.66 D38.1 120.43,43.2 D37.1 107.73,40.91 98.84,32.02 D35.1 D34.1 D32.1
row4: length 147
  Top w0.25: D46.1 180.17,38.59
  Bottom w0.25: U2.31 191.89,82.31 191.89,55.99 187.2,51.3 187.2,42.67 182.88,38.35 D46.1 ; 179.96,38.37 179.91,38.33 D45.1 179.47,12.17 178.28,12.17 156.02,21.62 D43.1 139.48,21.61 D42.1 134.66,21.86 D41.1
RX: length 30.5
  Top w0.25: 194.23,82.12 U2.32 196.07,80.51 196.07,76.25 197.15,75.17 199.99,75.17 200.04,75.22 200.57,75.22 200.97,74.82 200.97,73.95 v1(200.96,73.94) ; 198.56,75.18 197.09,75.18 196.89,74.98 196.89,74.36 197.08,74.16 198.56,74.16
  Bottom w0.25: J2.B6 200.69,73.67 v1(200.96,73.94) ; R1.2 196.27,85.51 196.27,84.16 U2.32 ; 198.52,74.67 197.04,74.67 196.89,74.52 196.89,73.82 197.04,73.67 198.52,73.67
SCK: length 19.4
  Top w0.25: J5.6 190.25,101 190.25,88.39 191.32,87.31 U2.30
SCL: length 35.5
  Top w0.25: v1(198.11,95.76) 198.55,96.2 JP6.1
  Bottom w0.25: v1(198.11,95.76) 197.89,95.53 197.89,94.19 198.41,93.66 ; 198.41,93.66 JP3.1 ; 198.41,93.66 195.88,91.13 190.07,91.13 187.98,89.04 183.79,89.04 180.59,85.85 180.59,78.64 U2.14
SDA: length 41.2
  Top w0.25: JP5.1 197.44,96.64 197.44,91.11 v1(197.49,91.06)
  Bottom w0.25: JP4.1 197.56,91.12 v1(197.49,91.06) 195.03,88.59 183.97,88.59 181.04,85.66 181.04,76.55 U2.15
SW25A: length 100.1
  Top w0.25: SW20.1 163.28,83.07 163.36,82.99 ; 163.36,63.69 162.98,64.07 SW30.1 ; 163.36,63.69 163.36,82.99 ; 163.36,63.69 163.36,48.7 ; 163.36,48.7 164.09,47.98 SW41.1 166.31,49.83 180.77,49.83 SW31.S1 ; 163.36,48.7 163.36,46.08 161.41,44.13 ; 163.36,82.99 162.82,83.54 162.82,92.19 163.07,92.44 163.07,101.92 SW10.1
  Bottom w0.25: SW10.1 167.01,107.63 U2.2
SW25B: length 4
  Top w0.25: SW31.S2 180.17,41.81 D46.2
TX: length 24
  Top w0.25: J1.A7 200.04,74.67 200.19,74.52 ; 200.19,74.52 200.28,74.42 200.28,73.91 200.04,73.67 J1.B7 196.94,73.67 195.62,74.99 195.62,78.42 U2.33 ; 200.19,74.52 200.27,74.52 v1(200.29,74.54)
  Bottom w0.25: R2.2 196.72,83.8 196.72,82.07 U2.33 ; 198.52,75.18 199.99,75.18 200.19,74.98 200.19,74.36 200,74.16 198.52,74.16
Net-(D2-Pad2): length 4.1
  Top w0.25: 6.73,94.84 SW2.1
  Bottom w0.25: SW2.1 2.15,93.12 D2.2
Net-(D3-Pad2): length 3.1
  Top w0.25: D3.2 37.12,94.52 36.32,95.32 SW3.2
Net-(D4-Pad2): length 3.2
  Top w0.25: SW4.2 55.4,95.67 56.17,94.9 D4.2
Net-(D5-Pad2): length 3.2
  Top w0.25: SW5.2 79.19,95.51 80.05,94.65 D5.2
Net-(D6-Pad2): length 4.3
  Top w0.25: SW6.1 86.82,95.02 87.41,94.42
  Bottom w0.25: SW6.1 83.07,92.87 D6.2
Net-(D7-Pad2): length 3.3
  Top w0.25: SW7.2 118.15,103.71 D7.2
Net-(D8-Pad2): length 3.4
  Top w0.25: D8.2 136.94,106.33 136.19,107.09 SW8.2
Net-(D9-Pad2): length 3.5
  Top w0.25: SW9.2 155.24,104.67 155.99,103.92 D9.2
Net-(D10-Pad2): length 3.3
  Top w0.25: D10.2 175.04,101 174.19,101.85 SW10.2
Net-(D12-Pad2): length 6.3
  Top w0.25: D12.2 18.07,75.98 17.43,76.62 SW12.2 17.27,77.19 v1(16.55,77.91)
  Bottom w0.25: SW12.2 16.55,78.62 v1(16.55,77.91)
Net-(D13-Pad2): length 6.3
  Top w0.25: v1(35.56,77.97) 36.32,77.21 SW13.2 36.48,76.62 37.12,75.98 D13.2
  Bottom w0.25: v1(35.56,77.97) 35.56,78.65 SW13.2
Net-(D14-Pad2): length 6.2
  Top w0.25: 56.17,73.81 56.17,75.85 55.4,76.62 SW14.2 55.37,77.47 v1(54.86,77.97)
  Bottom w0.25: SW14.2 54.86,78.4 v1(54.86,77.97)
Net-(D15-Pad2): length 3.3
  Top w0.25: 80.05,73.81 80.05,75.72 79.19,76.59 SW15.2
Net-(D16-Pad2): length 3.7
  Top w0.25: 87.41,77.02 87.16,76.77 SW16.1
  Bottom w0.25: SW16.1 83.07,73.82 83.06,73.81
Net-(D17-Pad2): length 3.4
  Top w0.25: D17.2 118.15,84.74 117.22,85.67 SW17.2
Net-(D18-Pad2): length 5.6
  Top w0.25: D18.2 136.94,87.66 136.53,88.07 SW18.2
Net-(D19-Pad2): length 3.5
  Top w0.25: D19.2 155.99,84.61 155.19,85.42 SW19.2
Net-(D20-Pad2): length 2.9
  Top w0.25: D20.2 174.19,80.22 SW20.2
Net-(D22-Pad2): length 3.1
  Top w0.25: D22.2 18.03,54.8 18.03,56.81 SW22.2
Net-(D23-Pad2): length 3.1
  Top w0.25: SW23.2 36.32,57.34 37.12,56.55 D23.2
Net-(D24-Pad2): length 3.4
  Top w0.25: D24.2 56.17,57.18 55.78,57.57 SW24.2
Net-(D25-Pad2): length 3.3
  Top w0.25: D25.2 80.05,56.93 79.4,57.57 SW25.2
Net-(D26-Pad2): length 3.8
  Top w0.25: 87.36,58.18 87.41,58.23 86.82,57.63 SW26.1
  Bottom w0.25: D26.2 83.07,54.77 SW26.1
Net-(D27-Pad2): length 3.3
  Top w0.25: D27.2 118.15,65.44 117.19,66.4 SW27.2
Net-(D28-Pad2): length 3.4
  Top w0.25: SW28.2 136.86,68.29 136.88,68.29 136.94,68.23 D28.2
Net-(D29-Pad2): length 3.5
  Top w0.25: SW29.2 155.19,66.5 155.99,65.69 D29.2
Net-(D30-Pad2): length 3.3
  Top w0.25: D30.2 175.04,63.15 174.19,64.01 SW30.2
Net-(D32-Pad2): length 3.2
  Top w0.25: SW33.2 17.3,38.52 18.07,37.75 D32.2
Net-(D33-Pad2): length 3.1
  Top w0.25: SW34.2 36.32,38.42 37.12,37.62 D33.2
Net-(D34-Pad2): length 3.1
  Top w0.25: SW35.2 55.37,38.17 56.17,37.37 D34.2
Net-(D35-Pad2): length 3.2
  Top w0.25: SW36.2 79.14,38.54 80.05,37.62 D35.2
Net-(D36-Pad2): length 4.2
  Top w0.25: 87.36,39.12 SW37.1 87.25,38.14
  Bottom w0.25: SW37.1 83.07,35.72 D36.2
Net-(D37-Pad2): length 3.3
  Top w0.25: SW38.2 117.19,47.22 118.15,46.26 D37.2
Net-(D38-Pad2): length 3.4
  Top w0.25: SW39.2 136.19,49.94 136.94,49.18 D38.2
Net-(D39-Pad2): length 3.5
  Top w0.25: D39.2 155.99,46.77 155.29,47.47 SW40.2
Net-(D40-Pad2): length 3.4
  Top w0.25: SW41.2 174.2,45.07 175.04,44.23 D40.2
Net-(D41-Pad2): length 3.3
  Top w0.25: D41.2 118.15,27.46 117.19,28.43 SW42.2
Net-(D42-Pad2): length 3.5
  Top w0.25: D42.2 136.94,30.26 136.23,30.97 SW43.2
Net-(D43-Pad2): length 3.5
  Top w0.25: SW44.2 155.34,28.37 155.99,27.72 D43.2
Net-(D44-Pad2): length 4.1
  Top w0.25: D44.2 177.84,19.73 177.49,20.61 SW45.2
Net-(D45-Pad2): length 6.1
  Top w0.25: SW46.2 186.69,8.4 arc(184.75,8.79) D45.2
Net-(J3-Pad1): length 7.3
  Top w0.5: JP5.2 J3.1
  Bottom w0.5: 202.25,98.74 203.25,98.74 ; 202.25,98.74 J3.1 ; 202.25,98.74 JP5.2
Net-(J3-Pad2): length 7.4
  Top w0.5: 202.63,96.2 203.25,96.2 ; 202.63,96.2 J3.2 ; 202.63,96.2 JP6.2
  Bottom w0.45: 203.24,96.2 203.25,96.2
  Bottom w0.5: 202.75,96.2 J3.2 ; 202.75,96.2 203.25,96.2 ; 202.75,96.2 JP6.2
Net-(J3-Pad3): length 7.8
  Top w0.5: JP7.2 202.75,93.66 ; 202.75,93.66 203.25,93.66 ; 202.75,93.66 J3.3
  Bottom w0.5: JP7.2 202.25,93.66 ; 202.25,93.66 J3.3 ; 202.25,93.66 203.25,93.66
Net-(J3-Pad4): length 6.9
  Top w0.5: JP8.2 J3.4
  Bottom w0.5: 202.63,91.12 203.25,91.12 ; 202.63,91.12 JP8.2 ; 202.63,91.12 J3.4
Net-(J4-Pad1): length 4.2
  Bottom w0.45: J4.1 199.28,66.11 arc(199.93,66.55) 200.7,66.7 SW48.3
  Bottom w0.5: v1(202.06,66.7) 201.24,66.7
Net-(J28-Pad1): length 81.9
  Top w0.25: JP9.2 63.25,70.21 v1(63.25,47.62) ; v1(90.63,45.72) 89.76,46.59 LED8.I ; LED7.O 39.74,44.59 v1(38.86,45.46)
  Bottom w0.25: v1(38.86,45.46) 39.74,46.34 LED7.O 40.5,46.34 41.18,47.02 62.65,47.02 v1(63.25,47.62) 63.88,48.26 84.45,48.26 87.87,44.84 LED8.I 89.76,44.84 v1(90.63,45.72)
  vias: v1(64.26,71.37)
Net-(LED1-PadO): length 41.4
  Top w0.25: LED1.O 164.4,92.82 v1(163.49,91.91) ; LED2.I 130.16,94.37 v1(129.29,95.25)
  Bottom w0.25: LED1.O 164.33,91.07 v1(163.49,91.91) 162.84,91.91 158.9,95.85 130.8,95.85 LED2.I 130.16,96.12 v1(129.29,95.25)
Net-(LED2-PadO): length 44.9
  Top w0.25: v1(91.44,83.56) 92.32,82.69 LED3.I ; LED2.O 127.39,96.12 v1(128.27,95.25)
  Bottom w0.25: v1(91.44,83.56) 92.32,84.44 LED3.I 96.29,84.44 105.77,93.92 126.57,93.92 LED2.O 127.39,94.37 v1(128.27,95.25)
Net-(LED4-PadO): length 37.5
  Top w0.25: v1(6.6,85.34) 7.48,84.47 7.85,84.47 ; LED4.O 36.18,86.47 v1(35.33,85.62)
  Bottom w0.25: 34.73,86.22 v1(35.33,85.62) ; v1(35.33,85.62) 31.84,89.11 12.06,89.11 9.17,86.22 LED5.I 7.48,86.22 v1(6.6,85.34) ; v1(35.33,85.62) 36.23,84.72 LED4.O
Net-(LED5-PadO): length 48.7
  Top w0.25: LED5.O 4.57,86.22 ; LED5.O 4.83,86.22 ; LED5.O 3.92,86.22 v1(3.05,85.34) 1.72,84.01 1.72,48.32 3.7,46.34 LED6.I 4.67,46.34 v1(5.54,45.46)
  Bottom w0.25: v1(3.05,85.34) 3.92,84.47 4.83,84.47 ; LED6.I 4.67,44.59 v1(5.54,45.46)
Net-(LED6-PadO): length 38.3
  Top w0.25: LED6.O 8.17,44.59 v1(9.1,45.52) ; v1(37.85,45.46) 36.97,46.34 LED7.I
  Bottom w0.25: 11.9,48.32 12.54,48.32 ; 12.54,48.32 31.36,48.32 35.09,44.59 LED7.I 36.97,44.59 v1(37.85,45.46) ; 12.54,48.32 9.66,48.32 7.85,46.5 LED6.O 8.28,46.34 v1(9.1,45.52)
Net-(LED8-PadO): length 42.7
  Top w0.25: v1(128.27,38.6) 127.39,39.48 LED9.I 106.02,39.48 101.09,44.41 93.37,44.41 LED8.O 92.57,44.84 v1(91.69,45.72)
  Bottom w0.25: v1(91.69,45.72) 92.57,46.59 LED8.O ; v1(128.27,38.6) 127.39,37.73 LED9.I
Net-(LED10-PadI): length 43.4
  Top w0.25: LED10.I 164.99,34.15 v1(165.86,33.27) ; v1(129.29,38.6) 130.16,37.73 LED9.O
  Bottom w0.25: v1(165.86,33.27) 164.99,32.4 LED10.I 161.32,32.4 154.25,39.46 130.55,39.46 LED9.O 130.16,39.48 v1(129.29,38.6)
Net-(SW47-Pad3):
  vias: v1(202.06,62.2)
unconnected-(LED10-PadO): length 3.2
  Top w0.25: v1(166.88,33.27) 167.75,32.4 LED10.O
  Bottom w0.25: v1(166.88,33.27) 167.75,34.15 LED10.O

## Copper pours and planes (outline as drawn; the poured copper is in the pictures)
GND on Top, Bottom: 207.56,-2.86 -21.04,-2.86 -21.04,117.79 207.56,117.79
(no net) on Top, Bottom: 213.36,-6.35 -25.4,-6.35 -25.4,123.19 213.36,123.19

## Text on the board
B.Silkscreen: + | -
F.Silkscreen: + | -
